# Altium PCB 键盘 - 副本 - 副本.PcbDoc (part 2 of 3)
Units mm, origin at the board's own origin, x right, y up, seen from the top; angles counter-clockwise.
Board outline 443.48 x 149.35 mm, 2 copper layers (Top Layer, Bottom Layer); 278 components, 285 nets, 1577 pads, 337 vias.
Unrouted connection lines stored in the file: 56.
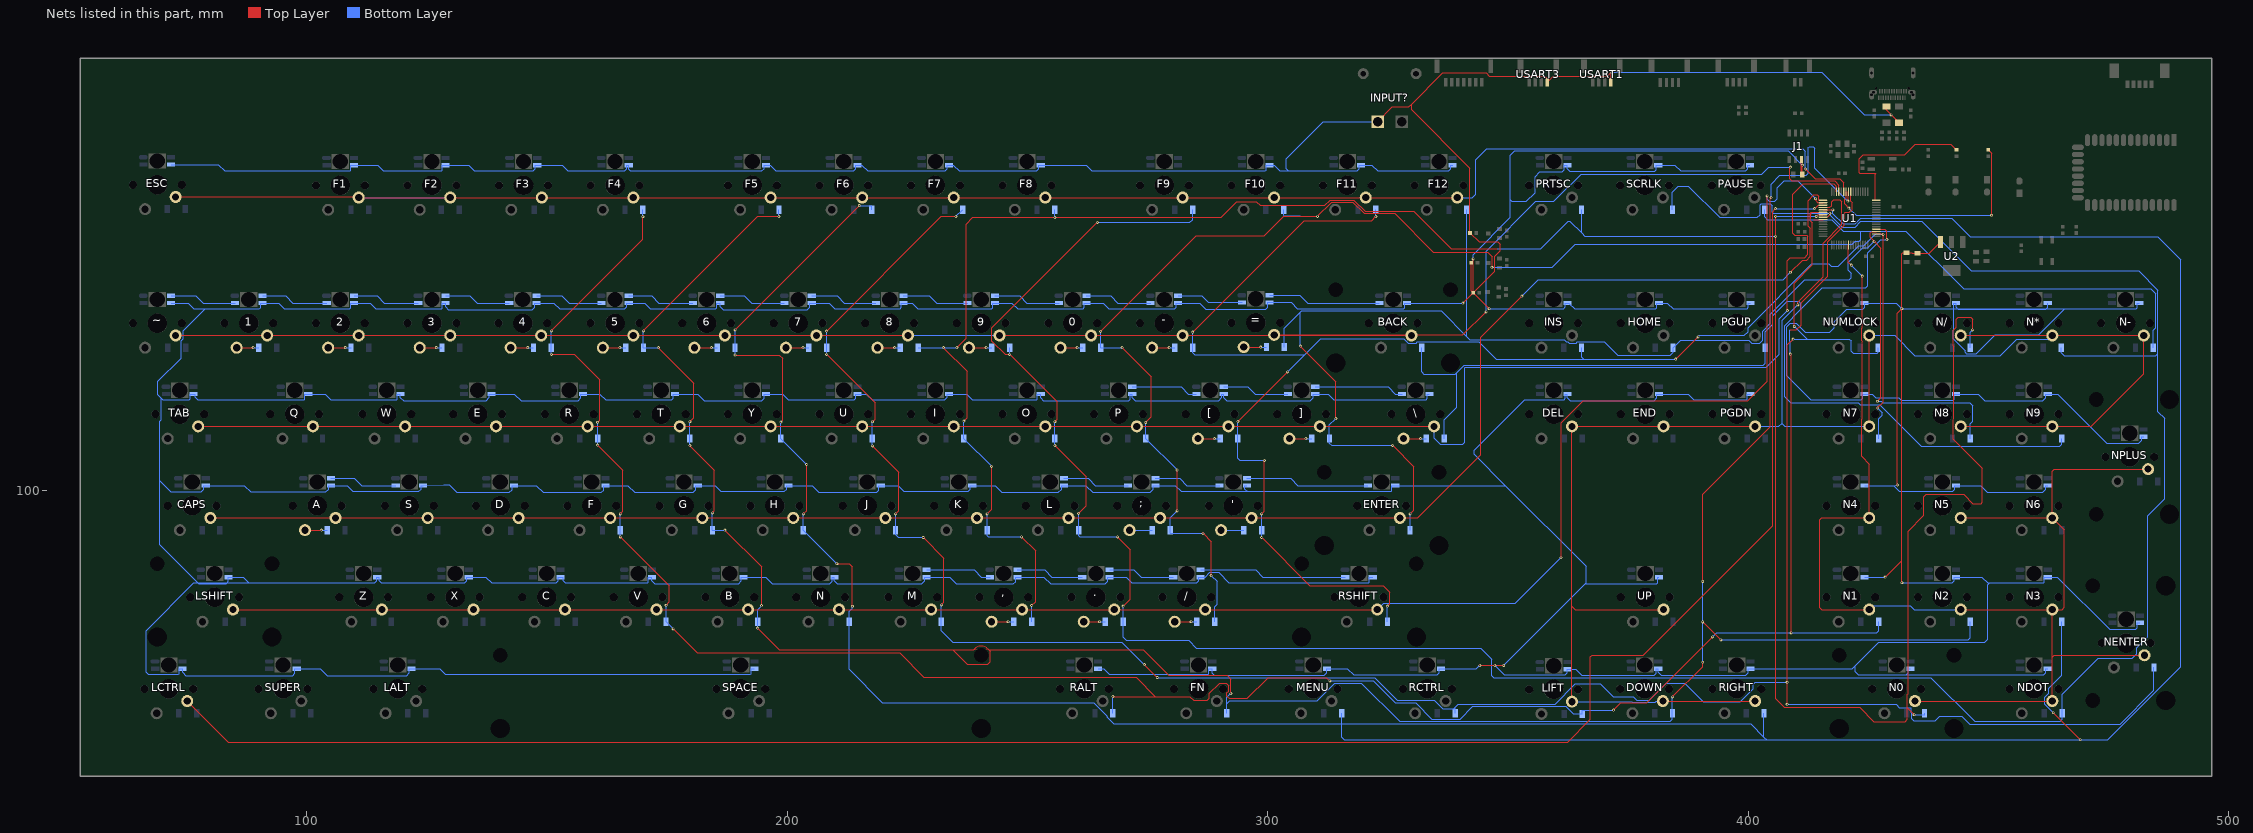
[diagram p2: the nets of this part, all layers, seen from the top]

## Via types
v1: diameter 0.61, hole 0.305, Top Layer to Bottom Layer, 337 vias

## Nets (pads, with @x,y where several pads share a name; then routed paths per layer and width w, separated by ;. In a path a pad name is that pad's centre, name@x,y a point inside that pad or via, vN(x,y) a via of type N, cw(c..) or ccw(c..) an arc to the next point about the centre after c; other vN are vias at no path point) (continued)
KEY_POS5: D8.2 D21.2 D35.2 D49.2 D62.2 D74.2 D88.2 D103.2 U1.24 | length 499.5
  Top Layer w0.254: v1(150.952,128.397) 155.702,128.397 160.998,123.101 160.998,114.673 v1(160.604,114.28) ; v1(150.952,133.299) 170.002,152.349 v1(170.002,157.048) ; v1(160.604,109.525) 165.862,104.267 165.862,95.758 v1(165.303,95.199) ; v1(165.303,90.424) 175.514,80.213 175.514,76.886 v1(174.828,76.2) ; v1(176.301,71.298) 181.305,66.294 223.418,66.294 228.498,61.214 272.644,61.214 276.657,57.201 ; v1(267.792,57.201) 276.657,57.201 ; v1(312.953,60.452) 312.242,61.163 300.152,61.163 295.808,56.82 291.998,56.82 291.516,57.302 291.516,57.948 291.881,58.313 291.881,59.487 291.389,59.979 290.001,59.979 287.858,57.836 287.858,56.896 287.404,56.442 284.604,56.442 283.845,57.201 276.657,57.201 ; v1(371.983,54.381) 373.507,55.905 378.901,55.905 v1(392.591,69.596) ; v1(408.762,128.473) 408.94,128.295 v1(408.94,70.434) ; 408.788,133.528 410.058,133.528 411.013,134.483 411.013,139.144 416.535,144.666 416.535,151.86 419.973,155.298 419.973,157.712 420.218,157.956 421.075,157.956 421.615,158.496 421.615,160.016 421.383,160.248 421.383,161.838 421.382,161.839 U1.24@421.382,162.268
  Bottom Layer w0.254: v1(150.952,128.397) D21.2@150.952,129.794 v1(150.952,133.299) ; v1(160.604,109.525) D35.2@160.604,110.871 v1(160.604,114.28) ; v1(165.303,90.424) D49.2@165.303,91.821 v1(165.303,95.199) ; v1(170.002,157.048) D8.2@170.002,158.496 ; v1(174.828,76.2) D62.2@174.828,72.771 v1(176.301,71.298) ; D74.2@267.792,53.721 v1(267.792,57.201) ; v1(312.953,60.452) 321.97,60.452 326.517,55.905 330.784,55.905 334.162,52.527 340.055,52.527 342.699,55.171 362.08,55.171 363.657,53.594 D88.2@365.455,53.594 365.455,54.381 v1(371.983,54.381) ; v1(392.591,69.596) 393.429,70.434 v1(408.94,70.434) 426.72,70.434 427.177,70.891 D103.2@427.177,72.771 ; v1(408.762,128.473) 408.762,131.042 408.686,131.118 408.686,133.426 408.788,133.528
KEY_POS6: D9.2 D22.2 D36.2 D50.2 D63.2 D75.2 D89.2 D104.2 U1.25 | length 555.4
  Top Layer w0.254: v1(170.129,133.299) 193.929,157.099 v1(198.323,157.099) ; v1(173.228,129.794) 180.594,122.428 180.594,115.189 v1(179.781,114.376) ; v1(179.781,109.398) 184.874,104.305 184.874,95.816 v1(184.48,95.423) ; v1(187.071,91.821) 194.691,84.201 v1(194.691,76.124) ; v1(193.878,71.425) 198.374,66.929 234.467,66.929 ; 238.944,67.003 238.87,66.929 ; v1(292.354,57.861) 292.354,60.808 291.567,61.595 279.476,61.595 274.142,66.929 241.954,66.929 ; v1(384.251,57.15) 390.55,63.449 v1(390.55,64.338) ; v1(390.55,72.746) v1(394.31,68.986) ; v1(390.55,81.153) 390.55,99.314 404.628,113.392 404.628,160.839 v1(404.8,161.011) ; v1(420.751,160.299) 420.882,160.43 U1.25@420.882,162.268 ; 234.467,66.929 238.87,66.929 ; 234.467,66.929 237.465,63.932 241.808,63.932 242.265,64.389 242.265,66.624 241.954,66.929 ; 238.87,66.929 241.87,67.011 ; 241.87,67.011 ccw(c240.411,65.786) 238.952,67.011 cw(c240.411,65.786) 241.87,67.011 ; 241.954,66.929 241.877,67.003 241.952,66.929 241.954,66.929
  Bottom Layer w0.254: v1(170.129,133.299) D22.2@170.129,129.794 v1(173.228,129.794) ; v1(179.781,109.398) D36.2@179.781,110.871 v1(179.781,114.376) ; v1(184.48,95.423) D50.2@184.48,91.821 v1(187.071,91.821) ; v1(193.878,71.425) D63.2@193.878,72.771 193.878,75.311 v1(194.691,76.124) ; v1(198.323,157.099) D9.2@198.323,158.496 ; D75.2@291.541,53.721 291.541,55.677 ; v1(292.354,57.861) 291.541,57.048 291.541,55.677 ; v1(384.251,57.15) D89.2@384.251,53.721 384.251,52.426 383.843,52.017 327.482,52.017 319.504,59.995 314.029,59.995 310.321,56.286 292.151,56.286 291.541,55.677 ; v1(390.55,64.338) v1(390.55,72.746) v1(390.55,81.153) ; v1(394.31,68.986) 445.821,68.986 446.227,69.393 D104.2@446.227,72.771 ; v1(404.8,161.011) 404.8,163.855 406.629,165.684 412.09,165.684 412.547,166.141 412.547,171.501 412.699,171.653 413.534,171.653 413.89,171.298 413.89,167.16 v1(420.751,160.299)
KEY_POS7: D10.2 D23.2 D37.2 D51.2 D64.2 D76.2 D90.2 D105.2 U1.37 | length 711
  Top Layer w0.254: v1(189.179,128.27) 198.399,128.27 199.06,127.61 199.06,114.656 v1(198.704,114.3) ; v1(189.179,133.502) v1(215.024,159.347) ; v1(203.403,95.199) 204.089,95.885 v1(204.089,105.486) ; v1(210.388,84.836) 212.954,84.836 213.614,84.176 v1(213.614,75.997) ; U1.37@415.582,158.468 v1(417.627,158.468) ; v1(463.499,53.828) v1(469.118,48.209)
  Bottom Layer w0.254: v1(189.179,128.27) D23.2@189.179,129.794 v1(189.179,133.502) ; v1(198.704,114.3) D37.2@198.704,110.871 v1(204.089,105.486) ; v1(203.403,95.199) D51.2@203.403,91.821 v1(210.388,84.836) ; v1(213.614,75.997) 213.614,75.489 213.462,75.336 213.36,75.336 212.928,74.905 D64.2@212.928,72.771 212.928,62.84 219.862,55.905 263.809,55.905 266.598,53.116 266.598,52.934 267.969,51.563 315.417,51.563 ; v1(215.024,159.347) 217.627,159.347 D10.2@217.627,158.496 ; D76.2@315.417,53.721 315.417,51.563 ; D90.2@403.301,53.721 403.301,48.768 ; v1(417.627,158.468) 417.627,157.716 419.778,155.564 422.289,155.564 423.437,156.712 442.373,156.712 446.202,152.883 485.267,152.883 490.017,148.133 490.017,63.373 474.853,48.209 v1(469.118,48.209) 403.86,48.209 ; v1(463.499,53.828) 461.696,55.631 461.696,57.023 462.509,57.836 462.509,58.877 465.277,61.646 D105.2@465.277,72.771 ; 315.417,51.563 315.417,48.768 315.976,48.209 403.86,48.209 ; 315.417,51.563 400.506,51.563 403.301,48.768 ; 403.301,48.768 403.86,48.209
KEY_POS8: D11.2 D24.2 D38.2 D52.2 D65.2 D77.2 D91.2 D106.2 U1.38 | length 527.4
  Top Layer w0.254: v1(208.229,128.397) 218.313,118.313 218.313,114.935 v1(217.754,114.376) ; v1(208.229,133.223) 232.105,157.099 v1(235.153,157.099) ; v1(217.754,109.347) 223.266,103.835 223.266,95.885 v1(222.58,95.199) ; v1(228.346,90.297) 232.664,85.979 232.664,76.835 v1(232.105,76.276) ; v1(274.371,63.83) v1(277.038,61.163) ; v1(408.127,55.601) v1(408.127,60.173) 408.127,130.378 v1(409.346,131.597) ; v1(409.603,134.247) 409.603,143.237 413.379,147.012 413.379,155.795 412.931,156.242 ; U1.38@415.582,157.968 413.142,157.968 ; 412.931,156.242 413.142,157.968 ; 412.931,156.242 412.931,157.756 413.142,157.968
  Bottom Layer w0.254: v1(208.229,128.397) D24.2@208.229,129.794 v1(208.229,133.223) ; v1(217.754,109.347) D38.2@217.754,110.871 v1(217.754,114.376) ; v1(222.58,95.199) D52.2@222.58,91.821 222.58,90.83 223.114,90.297 v1(228.346,90.297) ; v1(232.105,76.276) D65.2@232.105,72.771 232.105,70.917 234.518,68.504 269.697,68.504 v1(274.371,63.83) ; v1(235.153,157.099) D11.2@236.55,158.496 ; v1(277.038,61.163) 322.275,61.163 327,56.439 334.645,56.439 336.423,54.661 338.76,54.661 339.039,54.94 ; D77.2@339.039,53.721 339.039,54.94 ; v1(408.127,55.601) 430.784,55.601 431.47,54.915 433.883,54.915 433.908,52.73 434.442,52.197 438.912,52.197 439.826,53.111 444.475,53.111 446.1,51.486 477.469,51.486 484.454,58.471 D106.2@484.454,63.246 ; v1(408.127,60.173) 401.523,60.173 401.091,59.741 401.091,58.826 398.399,56.134 390.677,56.134 386.817,59.995 382.99,59.995 379.437,56.442 376.831,56.442 376.098,57.175 371.881,57.175 369.189,59.868 364.067,59.868 359.824,55.625 339.724,55.625 339.039,54.94 ; v1(409.346,131.597) 412.253,131.597 ; v1(409.603,134.247) 412.253,131.597 ; D91.2@427.05,129.794 427.05,128.829 426.822,128.6 421.843,128.6 421.437,129.007 421.437,131.191 421.03,131.597 412.253,131.597
KEY_POS9: D12.2 D25.2 D39.2 D53.2 D66.2 D78.2 D92.2 D98.2 U1.39 | length 547.2
  Top Layer w0.254: v1(232.537,129.794) 237.49,124.841 237.49,115.189 v1(236.804,114.503) ; v1(235.331,129.794) 237.261,131.724 237.261,155.499 238.658,156.896 v1(255.727,156.896) 290.322,156.896 293.624,160.198 297.663,160.198 298.425,159.436 311.929,159.436 313.02,160.527 317.958,160.527 320.294,158.191 330.429,158.191 338.229,150.39 347.799,150.39 ; v1(241.63,95.199) 242.57,96.139 v1(242.57,105.105) ; v1(248.793,90.424) 251.714,87.503 251.714,76.962 v1(250.901,76.149) ; v1(405.714,157.124) v1(405.714,152.959) 405.714,56.744 407.492,54.966 423.215,54.966 426.187,51.994 432.689,51.994 433.121,52.426 433.121,54.839 ; v1(414.172,157.124) 414.516,157.468 U1.39@415.582,157.468 ; v1(434.543,53.416) 433.121,54.839 ; v1(446.71,133.502) 446.71,135.738 446.303,136.144 443.687,136.144 443.281,135.738 443.281,134.01 442.646,133.375 442.646,130.226 442.798,130.073 442.798,114.986 442.646,114.833 442.646,110.769 448.742,104.673 448.742,97.638 448.462,97.358 446.735,97.358 444.83,99.263 437.058,99.263 436.55,98.755 436.55,94.894 433.273,91.618 433.273,57.827 433.121,57.675 433.121,54.839
  Bottom Layer w0.254: D25.2@227.279,129.794 v1(232.537,129.794) v1(235.331,129.794) ; v1(236.804,114.503) D39.2@236.804,110.871 v1(242.57,105.105) ; v1(241.63,95.199) D53.2@241.63,91.821 241.63,90.627 241.833,90.424 v1(248.793,90.424) ; D66.2@250.901,72.771 v1(250.901,76.149) ; v1(255.727,156.896) D12.2@255.727,158.496 ; 347.799,150.39 356.842,150.39 362.585,156.134 362.864,156.134 365.328,153.67 ; D78.2@365.328,158.496 365.328,153.67 ; v1(405.714,152.959) 366.039,152.959 365.328,153.67 ; v1(405.714,157.124) v1(414.172,157.124) ; v1(434.543,53.416) 436.702,53.416 D98.2@436.702,53.721 ; D92.2@446.227,129.794 446.227,133.02 v1(446.71,133.502)
KEY_POS10: D13.2 D26.2 D40.2 D54.2 D67.2 D79.2 D93.2 D107.2 U1.40 | length 589.2
  Top Layer w0.254: v1(255.727,109.474) 262.255,102.946 262.255,96.901 v1(260.68,95.326) ; v1(255.727,114.376) 256.21,114.859 256.21,118.516 v1(246.329,128.397) 245.364,128.397 242.621,131.14 242.621,133.909 v1(264.566,155.854) ; v1(268.732,90.424) 271.399,87.757 271.399,77.47 v1(269.951,76.022) ; U1.40@415.582,156.968 416.505,156.968 416.992,157.455 v1(416.992,157.759)
  Bottom Layer w0.254: v1(246.329,128.397) D26.2@246.329,129.794 ; v1(255.727,109.474) D40.2@255.727,110.871 v1(255.727,114.376) ; v1(260.68,95.326) D54.2@260.68,91.821 260.68,90.627 260.883,90.424 v1(268.732,90.424) ; v1(264.566,155.854) 283.82,155.854 284.429,156.464 D13.2@284.429,158.496 ; v1(269.951,76.022) D67.2@269.951,72.771 269.951,69.494 270.561,68.885 283.566,68.885 285.191,67.259 344.322,67.259 346.659,64.922 346.659,61.566 347.066,61.16 438.039,61.16 447.18,52.019 464.947,52.019 465.353,52.426 D107.2@465.353,53.721 465.353,57.633 472.872,65.151 479.984,65.151 480.898,66.065 480.898,67.386 483.159,69.647 483.159,94.818 486.664,98.323 486.664,115.087 485.267,116.484 485.267,128.575 ; D79.2@384.251,158.496 384.251,162.179 385.496,163.424 387.579,163.424 394.106,156.896 401.93,156.896 402.539,157.505 402.539,159.512 402.742,159.715 404.622,159.715 405.028,159.309 405.028,157.96 405.229,157.759 v1(416.992,157.759) 416.992,157.455 419.563,154.883 422.25,154.883 423.447,156.08 436.118,156.08 446.427,145.771 481.254,145.771 485.267,141.757 485.267,128.575 ; D93.2@465.15,129.794 465.15,128.727 465.734,128.143 484.835,128.143 485.267,128.575
KEY_POS11: D14.2 D27.2 D41.2 D55.2 D68.2 D80.2 D94.2 U1.41 | length 380.8
  Top Layer w0.254: v1(265.252,133.172) 285.149,153.069 299.322,153.069 303.352,157.099 v1(310.388,157.099) 313.362,160.073 317.729,160.073 320.068,157.734 326.466,157.734 334.518,149.682 345.796,149.682 346.786,148.692 346.786,146.66 v1(346.659,146.533) ; v1(269.748,129.794) 275.844,123.698 275.844,115.443 v1(274.65,114.249) ; v1(281.178,95.834) v1(281.178,104.343) ; v1(286.563,91.135) 288.265,89.433 v1(288.265,82.372) ; 413.668,156.468 U1.41@415.582,156.468
  Bottom Layer w0.254: v1(265.252,133.172) D27.2@265.252,129.794 v1(269.748,129.794) ; v1(274.65,114.249) D41.2@274.65,110.871 v1(281.178,104.343) ; v1(281.178,95.834) 279.73,94.386 D55.2@279.73,91.821 279.73,91.135 v1(286.563,91.135) ; v1(288.265,82.372) 289.484,81.153 289.484,76.403 289.001,75.921 D68.2@289.001,72.771 ; D14.2@303.352,158.496 303.352,157.328 v1(310.388,157.099) ; v1(346.659,146.533) 359.232,146.533 364.007,151.308 421.665,151.308 422.278,151.92 423.091,151.92 423.443,152.273 423.443,154.051 ; D80.2@403.428,158.496 403.428,157.001 403.962,156.468 ; 413.668,156.468 403.991,156.468 ; D94.2@484.327,129.794 484.327,133.426 484.81,133.909 484.81,141.046 483.819,142.037 444.83,142.037 432.816,154.051 423.443,154.051 ; 403.962,156.468 403.991,156.439 ; 403.962,156.468 403.991,156.468 ; 403.991,156.439 403.991,156.468 ; 403.991,156.439 417.366,156.439 419.753,154.051 423.443,154.051
KEY_POS12: D15.2 D28.2 D42.2 D56.2 D69.2 D81.2 D95.2 U1.2 | length 347.5
  Top Layer w0.254: v1(284.429,133.045) 307.594,156.21 321.64,156.21 v1(322.529,157.099) ; v1(293.827,114.427) v1(304.165,124.765) ; v1(298.78,90.297) 308.813,80.264 324.104,80.264 325.449,78.919 325.449,76.529 v1(324.942,76.022) ; v1(298.78,95.199) 299.339,95.758 v1(299.339,106.35) ; v1(384.937,127.406) v1(389.585,132.055) ; U1.2@426.682,153.468 427.659,153.468 428.098,153.029 ; v1(426.898,117.246) 428.098,118.446 428.098,153.029 ; v1(428.098,153.365) 428.098,153.029
  Bottom Layer w0.254: v1(284.429,133.045) D28.2@284.429,129.794 284.429,128.778 284.886,128.321 307.721,128.321 ; v1(293.827,114.427) D42.2@293.827,110.871 293.827,106.756 294.234,106.35 v1(299.339,106.35) ; v1(298.78,90.297) D56.2@298.78,91.821 v1(298.78,95.199) ; v1(304.165,124.765) 307.721,128.321 ; v1(322.529,157.099) D15.2@322.529,158.496 ; D69.2@324.942,72.771 v1(324.942,76.022) ; D81.2@365.328,129.794 365.328,127.838 365.76,127.406 ; v1(384.937,127.406) 365.76,127.406 ; v1(389.585,132.055) 389.865,132.334 399.223,132.334 399.996,133.107 399.996,133.925 413.286,147.215 416.792,147.215 417.297,146.71 418.719,146.71 423.021,151.012 424.078,151.012 426.431,153.365 v1(428.098,153.365) ; v1(426.898,117.246) 427.939,116.205 427.939,115.748 427.177,114.986 D95.2@427.177,110.871 ; 307.721,128.321 311.074,131.674 328.376,131.674 329.293,130.757 330.934,130.757 331.165,130.988 343.992,130.988 347.574,127.406 365.76,127.406
KEY_POS13: D16.2 D29.2 D43.2 D57.2 D82.2 D96.2 U1.3 | length 303.5
  Top Layer w0.254: v1(306.832,130.124) 314.198,122.758 v1(314.198,115.037) ; v1(326.009,109.474) 330.454,105.029 330.454,96.012 v1(329.641,95.199) ; U1.3@426.682,153.968 425.704,153.968 425.399,153.663 425.399,152.756 v1(426.225,151.93) 427.644,150.511 427.644,119.389 v1(426.898,118.643)
  Bottom Layer w0.254: D29.2@303.479,129.921 303.479,133.858 306.832,137.211 ; v1(306.832,130.124) 306.832,137.211 ; v1(314.198,115.037) 312.877,113.716 D43.2@312.877,110.871 312.877,109.931 313.334,109.474 v1(326.009,109.474) ; D57.2@329.641,91.821 v1(329.641,95.199) ; D16.2@341.452,158.496 341.452,132.08 ; v1(426.225,151.93) 424.853,150.558 423.812,150.558 420.827,147.574 420.827,145.872 421.437,145.263 421.437,144.348 421.03,143.942 411.82,143.942 404.633,136.755 404.633,134.834 403.047,133.248 403.047,131.369 402.435,130.757 400.794,130.757 400.157,131.394 385.978,131.394 D82.2@384.378,129.794 384.378,128.829 383.743,128.194 372.821,128.194 370.027,130.988 364.439,130.988 364.185,130.734 362.763,130.734 362.509,130.988 362.204,130.988 361.747,131.445 342.087,131.445 341.452,132.08 ; v1(426.898,118.643) 427.654,118.643 427.984,118.313 446.126,118.313 446.71,117.729 446.71,114.452 446.227,113.97 D96.2@446.227,110.871 ; 306.832,137.211 307.061,137.439 336.093,137.439 341.452,132.08
KEY_POS14: D30.2 D44.2 D83.2 D97.2 U1.4 | length 226.4
  Top Layer w0.254: U1.4@426.682,154.468 428.437,154.468 428.879,154.026 v1(428.879,152.273)
  Bottom Layer w0.254: D30.2@332.054,129.794 332.054,124.765 332.537,124.282 339.065,124.282 339.344,124.562 ; D44.2@336.753,110.871 336.753,114.783 339.344,117.373 339.344,124.562 ; v1(428.879,152.273) 427.584,152.273 424.866,149.555 424.866,142.646 424.459,142.24 415.442,142.24 410.972,137.77 ; D97.2@465.277,110.871 465.277,109.728 464.795,109.245 436.067,109.245 427.434,117.878 423.316,117.878 422.882,118.313 408.889,118.313 407.568,119.634 407.568,134.366 410.972,137.77 ; 339.344,124.562 340.97,126.187 403.149,126.187 403.555,126.594 D83.2@403.555,129.794 403.555,133.114 405.105,134.664 405.105,136.423 408.102,139.421 410.54,139.421 410.972,138.989 410.972,137.77
KEY_SEG1: ESC.1 F1.1 F2.1 F3.1 F4.1 F5.1 F6.1 F7.1 F8.1 F9.1 F10.1 F11.1 F12.1 U1.27 | length 381.5
  Top Layer w0.254: ESC.1@72.771,161.163 110.871,161.163 110.998,161.036 F2.1@129.921,161.036 F3.1@148.971,161.036 F4.1@168.021,161.036 F5.1@196.596,161.036 F6.1@215.646,161.036 F7.1@234.696,161.036 F8.1@253.746,161.036 F9.1@282.321,161.036 F10.1@301.371,161.036 F11.1@320.421,161.036 F12.1@339.471,161.036 ; v1(411.912,166.98) 413.944,164.948 419.044,164.948 419.882,164.109 U1.27@419.882,162.268
  Bottom Layer w0.254: F1.1@110.871,161.036 F2.1@129.921,161.036 ; F12.1@339.471,161.036 342.57,161.036 343.306,161.773 343.306,168.859 345.643,171.196 411.404,171.196 411.912,170.688 v1(411.912,166.98)
KEY_SEG2: 0.1 1.1 2.1 3.1 4.1 5.1 6.1 7.1 8.1 9.1 -.1 =.1 BACK.1 U1.29 ~.1 | length 401.2
  Top Layer w0.254: ~.1@72.771,132.334 1.1@91.821,132.334 2.1@110.871,132.334 3.1@129.921,132.334 4.1@148.844,132.334 5.1@168.021,132.334 6.1@187.071,132.334 7.1@206.121,132.334 8.1@225.171,132.334 ; 9.1@244.221,132.334 0.1@263.271,132.334 -.1@282.321,132.334 301.244,132.334 =.1@301.371,132.461 ; BACK.1@329.946,132.334 301.498,132.334 =.1@301.371,132.461 ; v1(345.465,137.262) 340.665,132.461 =.1@301.371,132.461 ; v1(408.813,167.38) 408.616,167.183 408.616,164.998 409.124,164.49 418.018,164.49 418.882,163.627 U1.29@418.882,162.268
  Bottom Layer w0.254: 8.1@225.171,132.334 9.1@244.221,132.334 ; v1(345.465,137.262) 345.465,149.885 355.803,160.223 359.52,160.223 365.235,165.938 402.844,165.938 404.286,167.38 v1(408.813,167.38)
KEY_SEG3: [.1 \.1 ].1 E.1 I.1 O.1 P.1 Q.1 R.1 T.1 TAB.1 U1.30 U.1 W.1 Y.1 | length 400.6
  Top Layer w0.254: TAB.1@77.47,113.411 Q.1@101.346,113.411 W.1@120.523,113.411 E.1@139.446,113.411 R.1@158.496,113.411 T.1@177.673,113.411 Y.1@196.596,113.411 U.1@215.646,113.411 I.1@234.696,113.411 O.1@253.746,113.411 P.1@272.796,113.411 [.1@291.846,113.411 ].1@310.896,113.411 \.1@334.645,113.411 ; v1(408.178,137.516) 408.178,147.93 408.762,148.514 411.734,148.514 412.442,149.222 412.442,153.01 412.239,153.213 409.677,153.213 409.27,153.619 409.27,161.722 411.505,163.957 417.805,163.957 418.382,163.38 U1.30@418.382,162.268
  Bottom Layer w0.254: \.1@334.645,113.411 334.645,110.922 335.89,109.677 340.589,109.677 341.046,110.134 341.046,125.603 341.173,125.73 403.809,125.73 406.502,128.422 406.502,135.839 v1(408.178,137.516)
KEY_SEG4: '.1 ;.1 A.1 CAPS.1 D.1 ENTER.1 F.1 G.1 H.1 J.1 K.1 L.1 S.1 U1.33 | length 386.2
  Top Layer w0.254: CAPS.1@80.01,94.361 A.1@106.045,94.361 S.1@125.222,94.361 D.1@144.145,94.361 F.1@163.195,94.361 G.1@182.372,94.361 H.1@201.295,94.361 J.1@220.472,94.361 K.1@239.522,94.361 L.1@258.572,94.361 277.622,94.361 '.1@296.672,94.361 ENTER.1@327.533,94.361 331.241,94.361 344.348,107.467 344.348,131.953 v1(352.933,140.538) ; v1(408.813,145.491) 411.325,148.003 412.157,148.003 412.925,148.771 412.925,154.612 412.477,155.06 412.477,160.403 413.691,161.617 414.401,161.617 414.677,161.341 414.677,160.468 U1.33@415.582,160.468
  Bottom Layer w0.254: v1(352.933,140.538) 356.362,143.967 407.289,143.967 v1(408.813,145.491)
KEY_SEG5: ,.1 ..1 /.1 B.1 C.1 LSHIFT.1 M.1 N.1 RSHIFT.1 U1.34 V.1 X.1 Z.1 | length 411.5
  Top Layer w0.254: LSHIFT.1@84.709,75.311 Z.1@115.697,75.311 X.1@134.747,75.311 C.1@153.797,75.311 V.1@172.847,75.311 B.1@191.897,75.311 N.1@210.82,75.311 M.1@229.997,75.311 248.92,75.311 ..1@268.097,75.311 /.1@287.02,75.311 RSHIFT.1@322.834,75.311 ; v1(361.061,86.157) 361.061,114.139 365.642,118.72 399.898,118.72 403.962,122.784 v1(403.962,161.366) ; v1(414.045,160.782) 414.045,160.451 414.528,159.968 U1.34@415.582,159.968
  Bottom Layer w0.254: RSHIFT.1@322.834,75.311 324.18,76.657 351.561,76.657 v1(361.061,86.157) ; v1(403.962,161.366) 403.962,160.706 404.368,160.299 405.587,160.299 406.044,160.757 406.044,163.068 407.492,164.516 410.312,164.516 v1(414.045,160.782)
KEY_SEG6: LCTRL.1 U1.35 | length 436.2
  Top Layer w0.254: LCTRL.1@75.184,56.261 83.718,47.727 362.483,47.727 367.182,52.426 367.182,65.43 367.589,65.837 378.181,65.837 405.105,92.761 405.105,152.349 405.082,152.372 405.082,158.118 v1(405.689,158.725) ; v1(413.842,158.725) 414.586,159.468 U1.35@415.582,159.468
  Bottom Layer w0.254: v1(405.689,158.725) v1(413.842,158.725)
KEY_SEG7: DEL.1 DOWN.1 END.1 LIFT.1 N7.1 N8.1 N9.1 N*.1 N-.1 N/.1 NUMLOCK.1 PGDN.1 RIGHT.1 U1.36 UP.1 | length 383.1
  Top Layer w0.254: LIFT.1@363.347,56.134 363.347,75.997 ; DOWN.1@382.27,56.261 RIGHT.1@401.447,56.261 ; UP.1@382.397,75.311 364.033,75.311 363.347,75.997 ; PGDN.1@401.447,113.411 END.1@382.397,113.411 DEL.1@363.347,113.411 363.347,75.997 ; v1(410.337,138.709) 410.337,139.272 415.595,144.53 415.595,151.562 419.506,155.473 419.506,160.122 419.049,160.579 417.779,160.579 417.373,160.172 417.373,159.374 416.966,158.968 U1.36@415.582,158.968 ; N7.1@425.196,113.411 NUMLOCK.1@425.196,132.334 ; N8.1@444.246,113.411 N9.1@463.296,113.411 471.399,113.411 482.346,124.358 N-.1@482.346,132.334 N*.1@463.296,132.334 N/.1@444.246,132.334
  Bottom Layer w0.254: LIFT.1@363.347,56.134 375.774,56.134 375.92,55.988 380.651,55.988 380.924,56.261 DOWN.1@382.27,56.261 ; PGDN.1@401.447,113.411 406.4,113.411 407.111,114.122 ; v1(410.337,138.709) 407.111,135.484 407.111,114.122 ; N7.1@425.196,113.411 407.619,113.411 407.111,113.919 407.111,114.122 ; NUMLOCK.1@425.196,132.334 430.505,132.334 434.721,128.118 452.45,128.118 455.854,131.521 462.483,131.521 N*.1@463.296,132.334
KEY_SEG8: N0.1 N1.1 N2.1 N3.1 N4.1 N5.1 N6.1 NDOT.1 NENTER.1 NPLUS.1 U1.56 | length 274.9
  Top Layer w0.254: U1.56@420.882,151.168 420.882,147.57 v1(421.462,146.99) ; v1(423.748,144.704) 423.748,133.96 423.596,133.807 423.596,131.191 423.748,131.039 423.748,115.011 423.596,114.859 423.596,107.188 425.196,105.588 N4.1@425.196,94.361 415.341,94.361 414.934,93.955 414.934,75.717 415.341,75.311 N1.1@425.196,75.311 ; N0.1@434.721,56.261 NDOT.1@463.296,56.261 463.296,65.38 ; N2.1@444.246,75.311 N3.1@463.296,75.311 ; N5.1@444.246,94.361 N6.1@463.296,94.361 ; NENTER.1@482.473,65.786 463.702,65.786 463.296,65.38 ; NPLUS.1@483.235,104.521 463.702,104.521 463.296,104.115 N6.1@463.296,94.361 ; 463.296,65.38 N3.1@463.296,75.311 ; N3.1@463.296,75.311 465.328,75.311 465.76,75.743 465.76,91.897 N6.1@463.296,94.361
  Bottom Layer w0.254: v1(421.462,146.99) v1(423.748,144.704) ; N1.1@425.196,75.311 426.009,76.124 433.705,76.124 434.518,75.311 N2.1@444.246,75.311
L_VCC: 0.3 1.3 2.3 3.3 4.3 5.3 6.3 7.3 8.3 9.3 '.3 ,.3 -.3 ..3 /.3 ;.3 =.3 [.3 \.3 ].3 A.3 B.3 BACK.3 C9.2 C10.2 C13.1 C.3 CAPS.3 D.3 DEL.3 DOWN.3 E.3 END.3 ENTER.3 ESC.3 F1.3 F2.3 F3.3 F4.3 F5.3 F6.3 F7.3 F8.3 F10.3 F11.3 F12.3 F.3 FN.3 FUSB2.2 FUSB.1 G.3 H.3 HOME.3 I.3 INPUT?.2 INS.3 J1.3 J.3 K.3 L.3 LALT.3 LCTRL.3 LIFT.3 LSHIFT.3 M.3 MENU.3 N0.3 N1.3 N2.3 N3.3 N4.3 N5.3 N6.3 N7.3 N8.3 N9.3 N*.3 N-.3 N.3 N/.3 NDOT.3 NENTER.3 NPLUS.3 NUMLOCK.3 O.3 P.3 PAUSE.3 PGDN.3 PGUP.3 PRTSC.3 Q.3 R9.2 R12.2 R19.2 R.3 RALT.3 RCTRL.3 RIGHT.3 RSHIFT.3 S.3 SCRLK.3 SPACE.3 SUPER.3 T.3 TAB.3 U2.3 U.3 UP.3 USART1.1 USART3.1 V.3 W.3 X.3 Y.3 Z.3 ~.3 | length 2955.8
  Top Layer w0.254: INPUT?.2@322.913,176.817 325.979,179.883 329.416,179.883 329.997,180.464 ; v1(340.626,139.077) R19.2@342.773,141.224 ; R12.2@342.377,147.447 342.377,141.62 R19.2@342.773,141.224 ; v1(342.773,148.26) R19.2@342.773,141.224 ; v1(344.17,63.703) v1(347.294,63.703) v1(349.148,63.703) ; v1(346.1,137.897) R19.2@342.773,141.224 ; USART1.1@371.435,185.039 v1@371.435,186.98 ; v1(371.526,187.071) v1@371.435,186.98 ; J1.3@411.099,168.998 411.099,166.586 C13.1@411.287,165.862 411.287,166.398 411.28,166.406 v1(411.28,167.806) ; v1(428.523,82.054) 431.978,85.508 ; FUSB.1@428.752,180.022 428.752,179.26 v1(429.755,178.257) FUSB2.2@431.419,176.594 ; v1(431.063,101.219) 431.063,136.982 v1(431.978,137.897) ; v1(431.978,80.874) 431.978,85.508 ; U2.3@440.041,151.814 437.701,149.474 C10.2@435.229,149.474 434.101,149.474 434.035,149.54 C9.2@432.943,149.54 432.166,149.54 431.978,149.352 v1(431.978,137.897) ; 329.997,180.464 329.997,179.302 342.123,167.175 R9.2@342.123,153.67 344.003,151.79 347.878,151.79 348.386,151.282 348.386,149.936 347.294,148.844 347.294,145.745 R19.2@342.773,141.224 ; 329.997,180.464 336.499,186.966 345.483,186.966 346.165,186.284 357.657,186.284 358.227,185.714 USART3.1@358.227,185.039 359.472,186.284 370.738,186.284 v1@371.435,186.98 ; 431.978,85.508 v1(431.978,137.897)
  Bottom Layer w0.254: ~.3@71.811,139.077 75.35,139.077 76.53,137.897 78.945,137.897 ; ESC.3@71.811,167.906 81.649,167.906 82.956,166.599 109.068,166.599 109.195,166.726 109.195,167.779 F1.3@109.911,167.779 114.847,167.779 116.027,166.599 128.118,166.599 128.245,166.726 128.245,167.779 F2.3@128.961,167.779 133.731,167.779 134.911,166.599 147.168,166.599 147.599,167.03 147.599,167.779 F3.3@148.011,167.779 153.226,167.779 154.407,166.599 166.218,166.599 166.649,167.03 166.649,167.779 F4.3@167.056,167.779 ; LCTRL.3@74.224,63.004 LCTRL.3@74.219,63.004 ; LSHIFT.3@83.749,82.054 LSHIFT.3@83.769,82.054 ; W.3@119.563,120.154 W.3@119.558,120.154 ; 3.3@128.961,139.077 3.3@128.956,139.077 ; F4.3@167.061,167.779 F4.3@167.056,167.779 ; V.3@171.887,82.054 V.3@171.882,82.054 ; 6.3@186.111,139.077 6.3@186.106,139.077 ; SPACE.3@193.223,63.004 192.507,63.004 192.507,61.976 192.354,61.824 128.905,61.824 127.725,63.004 LALT.3@121.849,63.004 121.437,63.004 121.437,62.179 120.828,61.57 104.292,61.57 102.858,63.004 SUPER.3@97.973,63.004 97.561,63.004 97.561,62.001 97.13,61.57 74.854,61.57 74.219,62.205 LCTRL.3@74.219,63.004 ; N.3@209.86,82.054 N.3@209.855,82.054 ; O.3@252.786,120.154 O.3@252.781,120.154 ; RALT.3@264.724,63.004 265.913,63.004 267.093,61.824 287.63,61.824 287.757,61.951 287.757,63.004 FN.3@288.468,63.004 ; P.3@271.836,120.154 P.3@271.831,120.154 ; FN.3@288.473,63.004 FN.3@288.468,63.004 ; [.3@290.886,120.154 [.3@290.881,120.154 ; '.3@295.712,101.104 295.3,101.104 295.3,100.381 295.758,99.924 ; RSHIFT.3@321.874,82.054 321.158,82.054 321.158,80.979 321.056,80.877 291.97,80.877 289.789,83.058 287.985,83.058 286.981,82.054 /.3@286.06,82.054 285.648,82.054 285.648,81.28 285.242,80.874 271.78,80.874 270.6,82.054 ..3@267.137,82.054 266.725,82.054 266.725,81.153 266.236,80.664 254.845,80.664 253.455,82.054 247.96,82.054 247.548,82.054 247.548,81.128 247.091,80.67 235.267,80.67 233.883,82.054 M.3@229.037,82.054 228.625,82.054 228.625,81.255 228.035,80.664 210.445,80.664 209.855,81.255 N.3@209.855,82.054 ; INPUT?.2@322.913,176.817 311.603,176.817 303.86,169.074 303.86,167.03 304.292,166.599 ; \.3@333.685,120.154 333.273,120.154 333.273,119.278 332.969,118.974 313.804,118.974 312.623,120.154 ].3@309.936,120.154 309.524,120.154 309.524,119.38 308.908,118.764 291.471,118.764 290.881,119.355 [.3@290.881,120.154 ; F12.3@338.511,167.779 338.099,167.779 338.099,167.03 337.668,166.599 322.885,166.599 321.704,167.779 F11.3@319.461,167.779 319.049,167.779 319.049,167.03 318.618,166.599 304.292,166.599 ; v1(340.626,139.077) BACK.3@328.986,139.077 328.574,139.077 328.574,138.1 328.371,137.897 306.209,137.897 304.902,139.204 =.3@300.411,139.204 299.999,139.204 299.999,138.176 299.637,137.814 287.14,137.814 285.877,139.077 -.3@281.361,139.077 280.949,139.077 280.949,138.176 280.67,137.897 266.954,137.897 265.774,139.077 0.3@262.311,139.077 261.899,139.077 261.899,138.176 261.62,137.897 247.98,137.897 246.8,139.077 9.3@243.261,139.077 242.849,139.077 242.849,138.125 242.621,137.897 227.228,137.897 226.048,139.077 8.3@224.211,139.077 223.799,139.077 223.799,138.176 223.52,137.897 209.956,137.897 208.776,139.077 7.3@205.161,139.077 204.749,139.077 204.749,138.176 204.26,137.687 186.696,137.687 186.106,138.278 6.3@186.106,139.077 ; v1(342.773,148.26) 342.773,149.137 350.545,156.91 350.545,160.528 ; v1(344.17,63.703) 343.471,63.004 RCTRL.3@336.098,63.004 335.686,63.004 335.686,62.154 335.28,61.747 317.881,61.747 316.624,63.004 MENU.3@312.349,63.004 312.349,62.179 311.79,61.62 288.925,61.62 288.468,62.078 FN.3@288.468,63.004 ; v1(346.1,137.897) 361.594,137.897 361.975,138.278 361.975,139.077 INS.3@362.387,139.077 362.661,139.077 363.892,137.846 380.797,137.846 381.025,138.074 381.025,139.077 HOME.3@381.437,139.077 383.184,139.077 384.39,137.871 399.771,137.871 400.075,138.176 400.075,139.077 PGUP.3@400.487,139.077 ; v1(347.294,63.703) 349.301,61.697 361.925,61.697 362.407,62.179 LIFT.3@362.407,62.877 ; v1(349.148,63.703) 366.109,80.664 ; LIFT.3@362.387,62.877 LIFT.3@362.407,62.877 ; DEL.3@362.387,120.154 DEL.3@362.382,120.154 ; PRTSC.3@362.387,167.779 PRTSC.3@362.382,167.779 ; v1(371.526,187.071) 415.315,187.071 424.129,178.257 v1(429.755,178.257) ; DOWN.3@381.31,63.004 DOWN.3@381.305,63.004 ; UP.3@381.437,82.054 381.152,82.054 381.152,80.874 380.943,80.664 366.109,80.664 ; PAUSE.3@400.36,167.779 399.948,167.779 399.948,167.03 399.517,166.599 385.953,166.599 384.773,167.779 SCRLK.3@381.31,167.779 380.898,167.779 380.898,166.853 380.535,166.489 362.923,166.489 362.382,167.03 PRTSC.3@362.382,167.779 ; PGDN.3@400.487,120.154 399.771,120.154 399.771,119.075 399.669,118.974 388.722,118.974 387.541,120.154 END.3@381.437,120.154 381.025,120.154 381.025,119.355 380.435,118.764 362.972,118.764 362.382,119.355 DEL.3@362.382,120.154 ; v1(411.28,167.806) 408.347,170.739 351.46,170.739 350.545,169.824 350.545,160.528 ; N1.3@424.236,82.054 v1(428.523,82.054) ; NUMLOCK.3@424.236,139.077 NUMLOCK.3@424.256,139.077 ; v1(431.063,101.219) 430.696,101.219 N4.3@424.236,101.104 430.264,101.104 431.444,99.924 442.57,99.924 442.976,100.33 442.976,101.104 N5.3@443.286,101.104 448.4,101.104 449.79,99.714 461.308,99.714 461.924,100.33 461.924,101.104 N6.3@462.336,101.104 ; v1(431.978,80.874) 442.468,80.874 442.874,81.28 442.874,82.054 N2.3@443.286,82.054 448.666,82.054 449.846,80.874 450.252,80.874 ; N0.3@433.761,63.004 433.349,63.004 433.349,62.179 432.892,61.722 ; N/.3@443.286,139.077 N/.3@443.281,139.077 ; NDOT.3@462.336,63.004 461.924,63.004 461.924,62.179 461.467,61.722 432.892,61.722 ; N*.3@462.336,139.077 462.331,139.077 462.331,138.176 462.051,137.897 ; N-.3@481.386,139.077 480.974,139.077 480.974,138.1 480.771,137.897 465.845,137.897 ; NENTER.3@481.513,72.529 480.949,72.529 480.949,71.526 480.619,71.196 475.221,71.196 464.363,82.054 N3.3@462.336,82.054 461.62,82.054 461.62,80.975 461.518,80.874 450.252,80.874 ; NPLUS.3@482.275,111.264 481.863,111.264 481.863,110.541 481.254,109.931 474.65,109.931 464.427,120.154 N9.3@462.336,120.154 461.924,120.154 461.924,119.38 461.264,118.72 449.287,118.72 447.853,120.154 N8.3@443.286,120.154 442.874,120.154 442.874,119.075 442.62,118.821 431.898,118.821 431.298,119.421 426.59,119.421 425.856,120.154 N7.3@424.236,120.154 423.824,120.154 423.824,119.278 423.52,118.974 413.055,118.974 408.032,123.997 408.032,134.112 408.799,134.879 410.058,134.879 411.916,133.021 416.942,133.021 417.881,133.96 417.881,135.153 420.497,137.77 423.85,137.77 424.256,138.176 NUMLOCK.3@424.256,139.077 ; 69.52,102.057 69.52,88.748 77.394,80.874 ; 69.52,102.057 69.52,114.529 69.774,114.783 69.774,119.278 ; 69.52,102.057 71.755,99.822 78.08,99.822 78.638,100.381 78.638,101.104 CAPS.3@79.05,101.104 87.085,101.104 88.417,99.771 104.064,99.771 104.673,100.381 104.673,101.104 A.3@105.085,101.104 108.497,101.104 109.677,99.924 123.393,99.924 123.85,100.381 123.85,101.104 S.3@124.262,101.104 128.55,101.257 129.73,101.257 131.317,99.67 142.24,99.67 142.773,100.203 142.773,101.104 D.3@143.185,101.104 147.828,101.104 149.262,99.67 161.341,99.67 161.823,100.152 161.823,101.104 F.3@162.235,101.104 166.878,101.104 168.312,99.67 180.442,99.67 181,100.228 181,101.104 G.3@181.412,101.104 185.078,101.104 186.258,99.924 199.466,99.924 199.923,100.381 199.923,101.104 H.3@200.335,101.104 205.207,101.104 206.641,99.67 218.643,99.67 219.1,100.127 219.1,101.104 J.3@219.512,101.104 223.127,101.104 224.307,99.924 237.744,99.924 238.15,100.33 238.15,101.104 K.3@238.562,101.104 243.281,101.104 244.716,99.67 256.489,99.67 257.2,100.381 257.2,101.104 L.3@257.612,101.104 262.179,101.104 263.613,99.67 275.539,99.67 276.25,100.381 276.25,101.104 276.662,101.104 280.836,101.104 282.016,99.924 295.758,99.924 ; 69.774,119.278 70.129,118.923 75.59,118.923 75.794,119.126 75.794,120.154 TAB.3@76.51,120.154 76.86,120.154 76.86,119.482 77.368,118.974 99.568,118.974 99.67,119.075 99.67,120.154 Q.3@100.386,120.154 103.925,120.154 105.105,118.974 118.745,118.974 118.847,119.075 118.847,120.154 W.3@119.558,120.154 ; 69.774,119.278 69.079,119.973 69.079,122.793 73.914,127.628 73.914,131.247 74.348,131.681 74.348,133.299 78.945,137.897 ; LCTRL.3@74.219,63.004 73.508,63.004 73.508,61.976 73.355,61.824 67.056,61.824 66.624,62.255 66.624,70.917 76.581,80.874 77.394,80.874 ; 77.394,80.874 77.572,80.696 83.312,80.696 83.49,80.874 ; 77.394,80.874 83.49,80.874 ; 78.945,137.897 90.221,137.897 90.449,138.125 90.449,139.077 1.3@90.861,139.077 94.197,139.077 95.377,137.897 109.017,137.897 109.195,138.074 109.195,139.077 2.3@109.911,139.077 113.247,139.077 114.427,137.897 128.118,137.897 128.245,138.024 128.245,139.077 3.3@128.956,139.077 ; 83.49,80.874 87.998,80.874 ; 83.49,80.874 83.769,81.153 LSHIFT.3@83.769,82.054 ; LSHIFT.3@83.769,82.054 86.817,82.054 87.998,80.874 ; 87.998,80.874 114.173,80.874 114.579,81.28 114.579,82.054 Z.3@114.737,82.054 115.164,82.054 115.164,81.28 115.57,80.874 132.969,80.874 133.375,81.28 133.375,82.054 X.3@133.787,82.054 137.326,82.054 138.506,80.874 152.019,80.874 152.425,81.28 152.425,82.054 C.3@152.837,82.054 153.416,82.054 153.416,81.28 153.822,80.874 171.069,80.874 171.171,80.975 171.171,82.054 V.3@171.882,82.054 ; W.3@119.558,120.154 119.558,119.355 120.193,118.72 137.363,118.72 138.074,119.431 138.074,120.154 E.3@138.486,120.154 143.281,120.154 144.671,118.764 156.508,118.764 157.124,119.38 157.124,120.154 R.3@157.536,120.154 161.075,120.154 162.255,118.974 175.997,118.974 176.301,119.278 176.301,120.154 T.3@176.713,120.154 181.381,120.154 182.771,118.764 194.71,118.764 195.224,119.278 195.224,120.154 Y.3@195.636,120.154 199.099,120.154 200.279,118.974 213.97,118.974 214.274,119.278 214.274,120.154 U.3@214.686,120.154 216.523,120.154 217.703,118.974 232.867,118.974 233.324,119.431 233.324,120.154 I.3@233.736,120.154 237.351,120.154 238.531,118.974 251.968,118.974 252.07,119.075 252.07,120.154 O.3@252.781,120.154 ; 3.3@128.956,139.077 128.956,138.278 129.546,137.687 146.983,137.687 147.472,138.176 147.472,139.077 4.3@147.884,139.077 151.499,139.077 152.679,137.897 166.218,137.897 166.649,138.328 166.649,139.077 5.3@167.061,139.077 170.397,139.077 171.577,137.897 185.217,137.897 185.395,138.074 185.395,139.077 6.3@186.106,139.077 ; F4.3@167.056,167.779 167.056,166.954 167.411,166.599 194.793,166.599 195.224,167.03 195.224,167.779 F5.3@195.636,167.779 196.494,167.779 197.675,166.599 213.843,166.599 214.274,167.03 214.274,167.779 F6.3@214.686,167.779 215.595,167.779 216.776,166.599 232.893,166.599 233.324,167.03 233.324,167.779 F7.3@233.736,167.779 234.608,167.779 235.788,166.599 251.968,166.599 252.374,167.005 252.374,167.779 F8.3@252.786,167.779 262.243,167.779 263.423,166.599 299.568,166.599 299.695,166.726 299.695,167.779 F10.3@300.411,167.779 301.384,167.779 302.565,166.599 304.292,166.599 ; V.3@171.882,82.054 171.882,81.255 172.472,80.664 189.909,80.664 190.525,81.28 190.525,82.054 B.3@190.937,82.054 195.529,82.054 196.919,80.664 208.934,80.664 209.448,81.178 209.448,82.054 N.3@209.855,82.054 ; O.3@252.781,120.154 252.781,119.355 253.371,118.764 271.113,118.764 271.424,119.075 271.424,120.154 P.3@271.831,120.154 ; P.3@271.831,120.154 271.831,119.355 272.421,118.764 289.808,118.764 290.474,119.431 290.474,120.154 [.3@290.881,120.154 ; 295.758,99.924 325.73,99.924 325.857,100.051 325.857,101.104 ENTER.3@326.573,101.104 349.504,101.104 ; 349.504,101.104 343.002,107.606 343.002,108.419 353.556,118.974 361.696,118.974 361.975,119.253 361.975,120.154 DEL.3@362.382,120.154 ; 349.504,101.104 366.319,84.289 366.319,80.874 366.109,80.664 ; 350.545,160.528 350.847,160.226 353.862,160.226 355.651,162.015 355.651,165.405 356.616,166.37 361.29,166.37 361.721,166.802 361.721,167.779 PRTSC.3@362.382,167.779 ; LIFT.3@362.407,62.877 364.134,62.877 365.397,61.614 380.435,61.614 380.898,62.078 380.898,63.004 DOWN.3@381.305,63.004 ; DOWN.3@381.305,63.004 381.305,62.205 381.895,61.614 399.536,61.614 400.075,62.154 400.075,63.004 RIGHT.3@400.487,63.004 421.652,63.004 422.25,63.602 ; 422.25,63.602 422.25,62.406 422.934,61.722 432.892,61.722 ; 422.25,63.602 427.177,68.529 449.287,68.529 449.846,69.088 449.846,80.467 450.252,80.874 ; NUMLOCK.3@424.256,139.077 430.797,139.077 v1(431.978,137.897) 442.824,137.897 ; 442.824,137.897 442.824,139.077 N/.3@443.281,139.077 ; 442.824,137.897 442.824,133.553 442.646,133.375 442.646,131.674 445.135,129.184 445.135,128.829 445.389,128.575 447.497,128.575 451.434,132.512 460.46,132.512 465.845,137.897 ; 442.824,137.897 443.56,137.897 ; N/.3@443.281,139.077 443.281,138.176 443.56,137.897 ; 443.56,137.897 443.687,137.77 461.924,137.77 462.051,137.897 ; 443.56,137.897 462.051,137.897 ; 462.051,137.897 465.845,137.897
LED1(PA2): R5.2 U1.16 | length 34.2
  Top Layer w0.254: U1.16@426.682,160.468 426.415,160.468 426.415,165.903 426.517,166.005 426.444,166.078 423.227,166.078 423.088,166.218 423.088,169.062 423.929,169.904 432.591,169.904 434.806,172.119 442.195,172.119 R5.2@443.357,170.957
LED2(PB0): R6.2 U1.26 | length 48.1
  Top Layer w0.254: U1.26@420.382,162.268 420.382,160.907 420.118,160.643 420.118,159.703 v1(420.983,158.838) ; R6.2@449.961,170.957 450.672,170.246 v1(450.672,157.353)
  Bottom Layer w0.254: v1(420.983,158.838) 422.468,157.353 v1(450.672,157.353)
Net0_2: 0.2 D27.1 | length 4.6
  Top Layer w0.254: 0.2@256.921,129.794 v1(260.35,129.794)
  Bottom Layer w0.254: v1(260.35,129.794) D27.1@261.544,129.794
Net0_4: 0.4 -.6 | length 14
  Bottom Layer w0.254: 0.4@262.311,140.577 267.347,140.577 268.847,139.077 -.6@275.661,139.077
Net0_6: 0.6 9.4 | length 14
  Bottom Layer w0.254: 9.4@243.261,140.577 248.424,140.577 249.924,139.077 0.6@256.611,139.077
Net1_2: 1.2 D18.1 | length 4.6
  Top Layer w0.254: 1.2@85.471,129.794 v1(88.9,129.794)
  Bottom Layer w0.254: v1(88.9,129.794) D18.1@90.094,129.794
Net1_4: 1.4 2.6 | length 14
  Bottom Layer w0.254: 1.4@90.861,140.577 95.643,140.577 97.143,139.077 2.6@104.211,139.077
Net1_6: 1.6 ~.4 | length 14
  Bottom Layer w0.254: ~.4@71.811,140.577 76.974,140.577 78.474,139.077 1.6@85.161,139.077
Net2_2: 2.2 D19.1 | length 4.7
  Top Layer w0.254: 2.2@104.521,129.794 v1(108.077,129.794)
  Bottom Layer w0.254: v1(108.077,129.794) D19.1@109.271,129.794
Net2_4: 2.4 3.6 | length 14
  Bottom Layer w0.254: 2.4@109.911,140.577 114.693,140.577 116.193,139.077 3.6@123.261,139.077
Net3_2: 3.2 D20.1 | length 4.6
  Top Layer w0.254: 3.2@123.571,129.794 v1(127,129.794)
  Bottom Layer w0.254: v1(127,129.794) D20.1@128.194,129.794
Net3_4: 3.4 4.6 | length 13.8
  Bottom Layer w0.254: 3.4@128.961,140.577 133.997,140.577 135.497,139.077 4.6@142.184,139.077
Net4_2: 4.2 D21.1 | length 4.7
  Top Layer w0.254: 4.2@142.494,129.794 v1(146.05,129.794)
  Bottom Layer w0.254: v1(146.05,129.794) D21.1@147.244,129.794
Net4_4: 4.4 5.6 | length 14.1
  Bottom Layer w0.254: 4.4@147.884,140.577 153.174,140.577 154.674,139.077 5.6@161.361,139.077
Net5_2: 5.2 D22.1 | length 4.7
  Top Layer w0.254: 5.2@161.671,129.794 v1(165.227,129.794)
  Bottom Layer w0.254: v1(165.227,129.794) D22.1@166.421,129.794
Net5_4: 5.4 6.6 | length 14
  Bottom Layer w0.254: 5.4@167.061,140.577 171.843,140.577 173.343,139.077 6.6@180.411,139.077
Net6_2: 6.2 D23.1 | length 4.7
  Top Layer w0.254: 6.2@180.721,129.794 v1(184.277,129.794)
  Bottom Layer w0.254: v1(184.277,129.794) D23.1@185.471,129.794
Net6_4: 6.4 7.6 | length 14
  Bottom Layer w0.254: 6.4@186.111,140.577 191.147,140.577 192.647,139.077 7.6@199.461,139.077
Net7_2: 7.2 D24.1 | length 4.7
  Top Layer w0.254: 7.2@199.771,129.794 v1(203.327,129.794)
  Bottom Layer w0.254: v1(203.327,129.794) D24.1@204.521,129.794
Net7_4: 7.4 8.6 | length 14
  Bottom Layer w0.254: 7.4@205.161,140.577 210.451,140.577 211.951,139.077 8.6@218.511,139.077
Net8_2: 8.2 D25.1 | length 4.7
  Top Layer w0.254: 8.2@218.821,129.794 v1(222.377,129.794)
  Bottom Layer w0.254: v1(222.377,129.794) D25.1@223.571,129.794
Net8_4: 8.4 9.6 | length 14
  Bottom Layer w0.254: 8.4@224.211,140.577 229.628,140.577 231.128,139.077 9.6@237.561,139.077
Net9_2: 9.2 D26.1 | length 4.7
  Top Layer w0.254: 9.2@237.871,129.794 v1(241.427,129.794)
  Bottom Layer w0.254: v1(241.427,129.794) D26.1@242.621,129.794
Net'_2: '.2 D56.1 | length 4.7
  Bottom Layer w0.254: '.2@290.322,91.821 D56.1@295.072,91.821
Net'_4: '.4 ENTER.6 | length 25.8
  Bottom Layer w0.254: '.4@295.712,102.604 304.812,102.604 306.312,101.104 ENTER.6@320.873,101.104
Net'_6: '.6 ;.4 | length 14
  Bottom Layer w0.254: 276.662,102.604 281.698,102.604 283.198,101.104 '.6@290.012,101.104
Net,_2: ,.2 D66.1 | length 4.6
  Top Layer w0.254: 242.57,72.771 v1(245.999,72.771)
  Bottom Layer w0.254: v1(245.999,72.771) D66.1@247.193,72.771
Net,_4: ,.4 ..6 | length 14.1
  Bottom Layer w0.254: 247.96,83.554 253.622,83.554 255.122,82.054 ..6@261.437,82.054
Net,_6: ,.6 M.4 | length 13.8
  Bottom Layer w0.254: M.4@229.037,83.554 238.962,83.554 240.462,82.054 242.26,82.054
Net-_2: -.2 D28.1 | length 4.7
  Top Layer w0.254: -.2@275.971,129.794 v1(279.527,129.794)
  Bottom Layer w0.254: v1(279.527,129.794) D28.1@280.721,129.794
Net-_4: -.4 =.6 | length 13.9
  Bottom Layer w0.254: -.4@281.361,140.577 286.27,140.577 287.643,139.204 =.6@294.711,139.204
Net._2: ..2 D67.1 | length 4.5
  Top Layer w0.254: ..2@261.747,72.771 v1(265.049,72.771)
  Bottom Layer w0.254: v1(265.049,72.771) D67.1@266.243,72.771
Net._4: ..4 /.6 | length 13.8
  Bottom Layer w0.254: ..4@267.137,83.554 272.173,83.554 273.673,82.054 /.6@280.36,82.054
Net/_2: /.2 D68.1 | length 4.6
  Top Layer w0.254: /.2@280.67,72.771 v1(284.099,72.771)
  Bottom Layer w0.254: v1(284.099,72.771) D68.1@285.293,72.771
Net/_4: /.4 RSHIFT.6 | length 30.7
  Bottom Layer w0.254: /.4@286.06,83.554 297.548,83.554 299.048,82.054 RSHIFT.6@316.174,82.054
Net;_2: ;.2 D55.1 | length 4.7
  Bottom Layer w0.254: 271.272,91.821 D55.1@276.022,91.821
Net;_6: ;.6 L.4 | length 14
  Bottom Layer w0.254: L.4@257.612,102.604 262.648,102.604 264.148,101.104 270.962,101.104
Net[_2: [.2 D42.1 | length 4.6
  Top Layer w0.254: [.2@285.496,110.871 v1(288.925,110.871)
  Bottom Layer w0.254: v1(288.925,110.871) D42.1@290.119,110.871
Net[_4: [.4 ].6 | length 14
  Bottom Layer w0.254: [.4@290.886,121.654 295.922,121.654 297.422,120.154 ].6@304.236,120.154
Net[_6: [.6 P.4 | length 14
  Bottom Layer w0.254: P.4@271.836,121.654 282.031,121.654 283.531,120.154 [.6@285.186,120.154
Net\_2: \.2 D44.1 | length 4.7
  Top Layer w0.254: \.2@328.295,110.871 v1(331.851,110.871)
  Bottom Layer w0.254: v1(331.851,110.871) D44.1@333.045,110.871
Net\_6: \.6 ].4 | length 18.7
  Bottom Layer w0.254: ].4@309.936,121.654 325.093,121.654 326.593,120.154 \.6@327.985,120.154
Net]_2: ].2 D43.1 | length 4.6
  Top Layer w0.254: ].2@304.546,110.871 v1(307.975,110.871)
  Bottom Layer w0.254: v1(307.975,110.871) D43.1@309.169,110.871
Net_2: =.2 D29.1 | length 4.7
  Top Layer w0.254: =.2@295.021,129.921 v1(298.577,129.921)
  Bottom Layer w0.254: v1(298.577,129.921) D29.1@299.771,129.921
Net_4: =.4 BACK.6 | length 23.5
  Bottom Layer w0.254: =.4@300.411,140.704 306.717,140.704 308.344,139.077 BACK.6@323.286,139.077
NetA_2: A.2 D46.1 | length 4.6
  Top Layer w0.254: A.2@99.695,91.821 v1(103.124,91.821)
  Bottom Layer w0.254: v1(103.124,91.821) D46.1@104.318,91.821
NetA_4: A.4 S.6 | length 14.1
  Bottom Layer w0.254: A.4@105.085,102.604 109.994,102.604 111.494,101.104 S.6@118.562,101.104